# Allegro board buddy_lay_rev1.brd (continued)
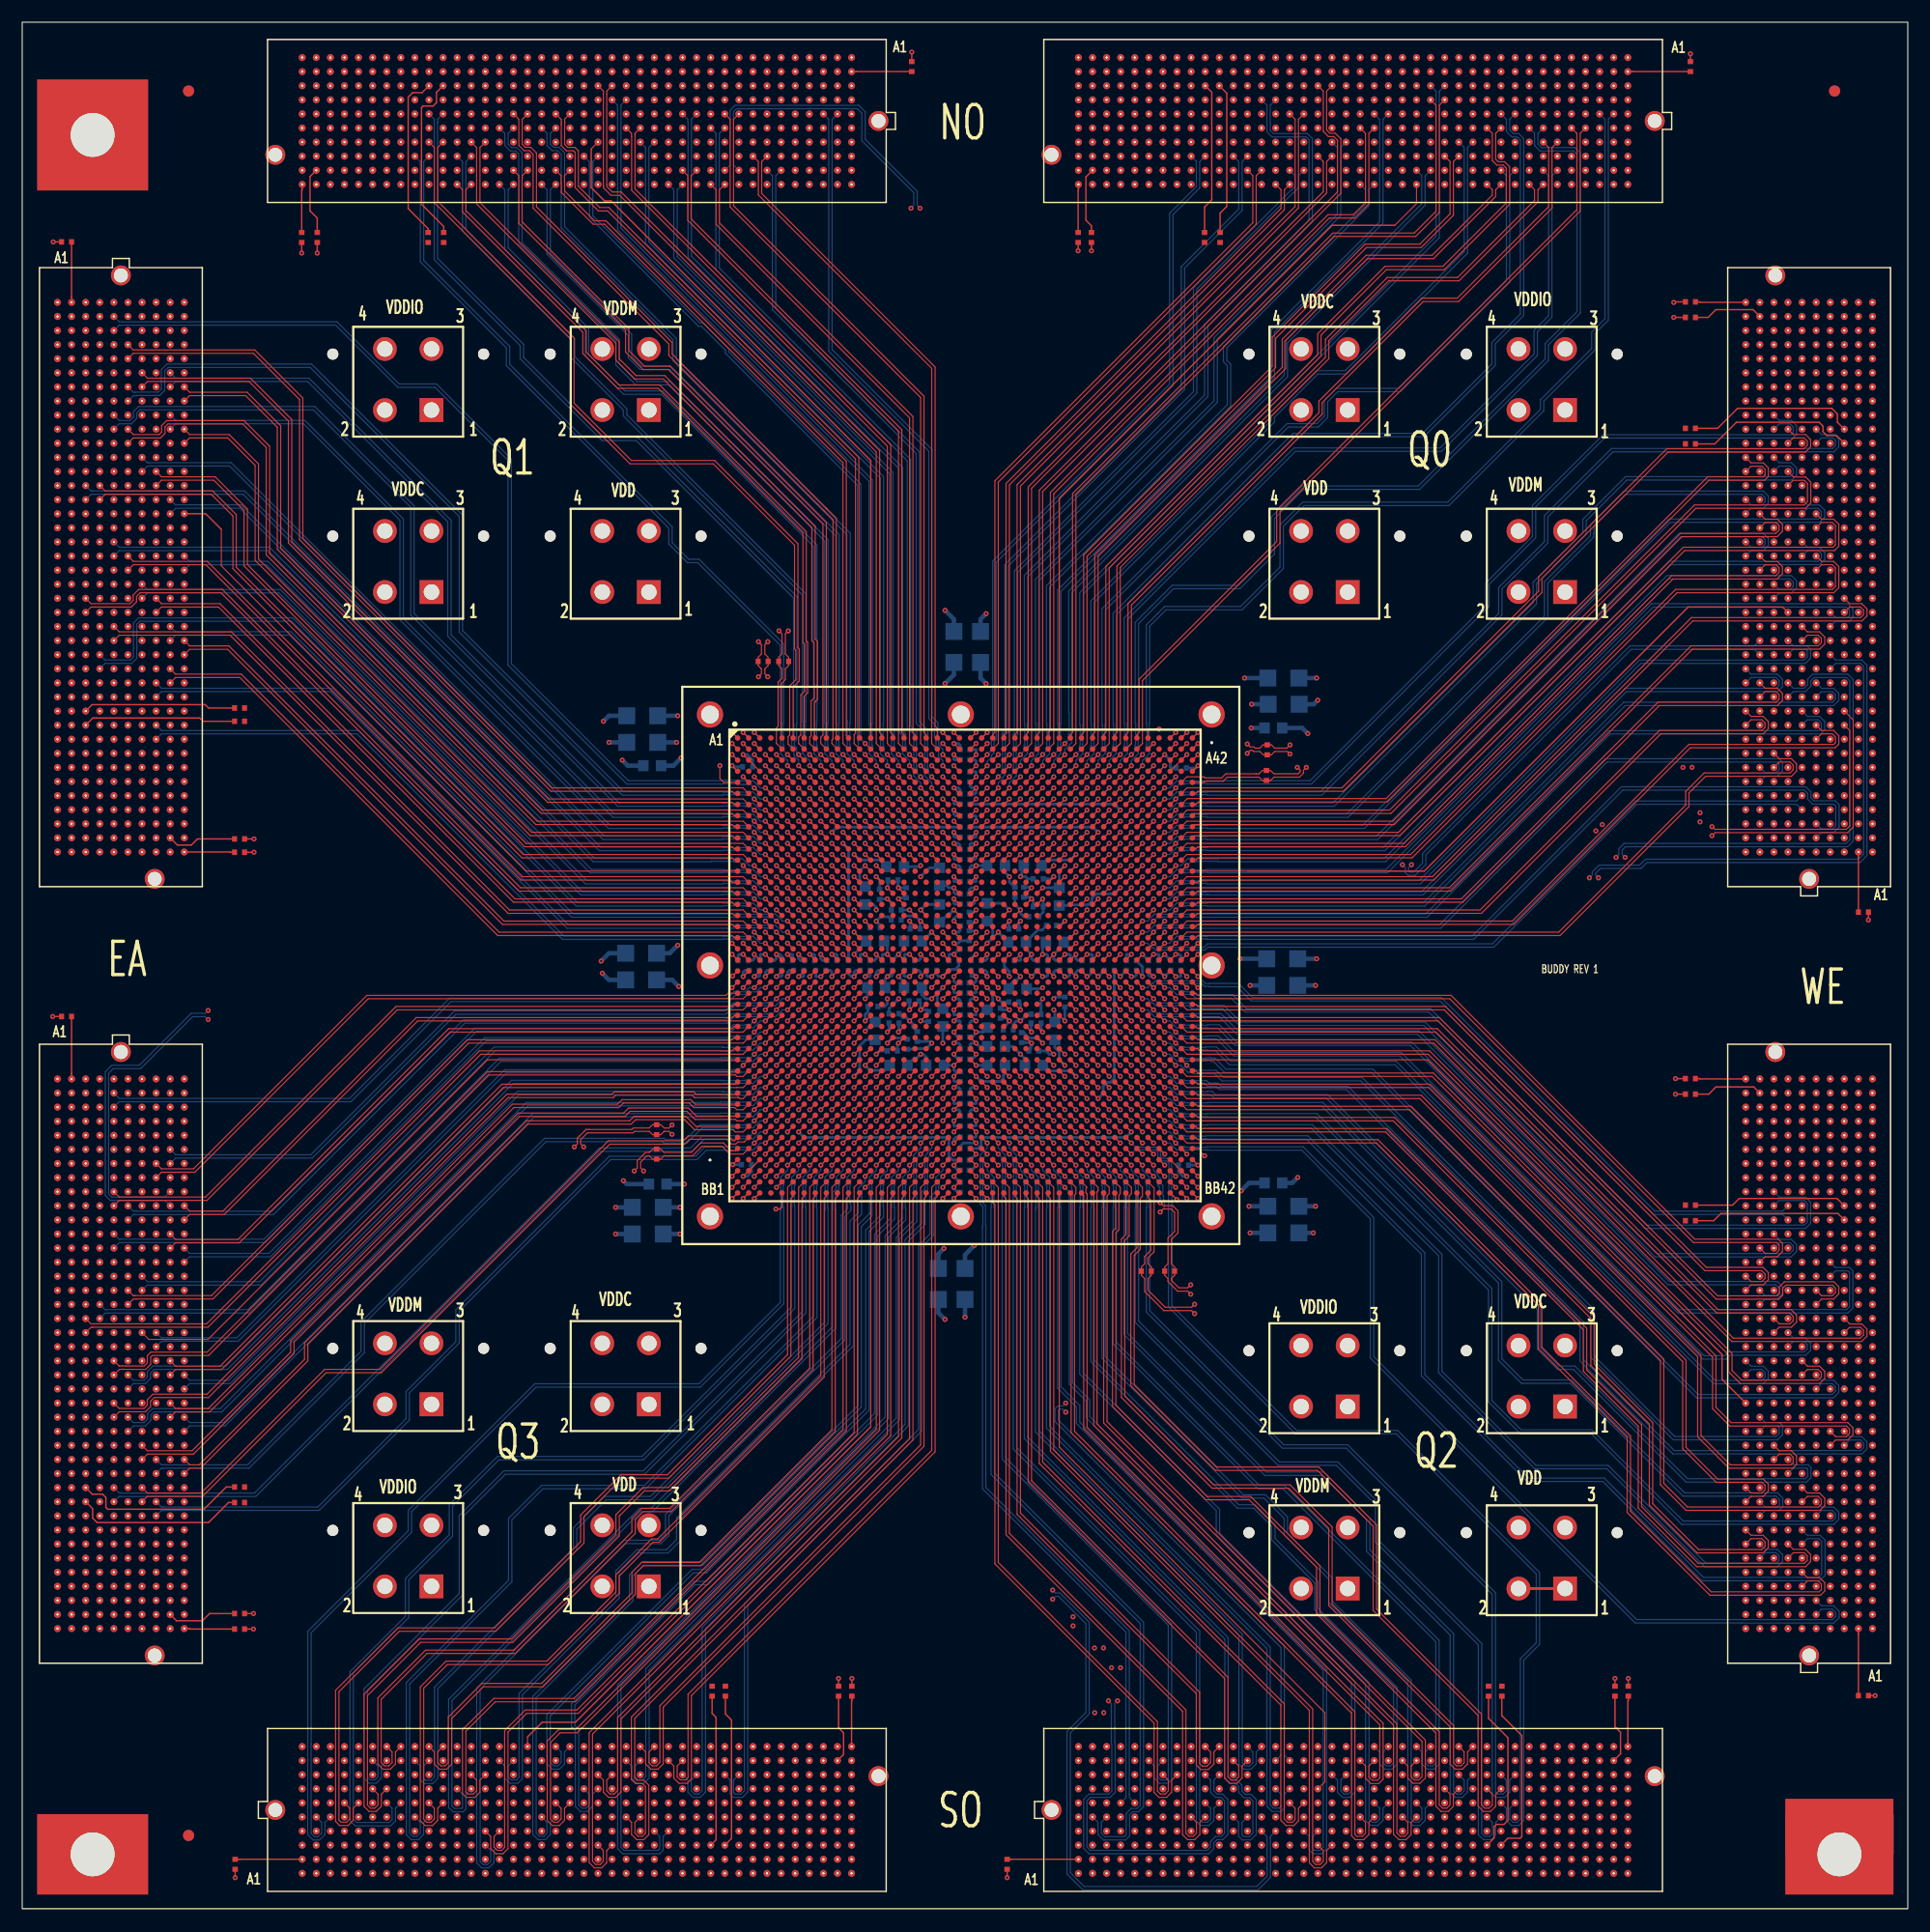
[diagram p0: board, top side]
## Routing (per net, layer and track width the routed paths; a pad name or vN(x,y) marks a point on that pad's centre or on a via; arc(x,y) is an arc through that point) (continued)
Q3_VDDM: length 36.6
  TOP w0.127: U1.AY19 v1(82,66) ; U1.AK9 v1(72,76) ; U1.AB3 v1(66,84) ; U1.AC20 v1(83,83) ; U1.AD3 v1(66,82) ; U1.AM21 v1(84,74) ; U1.AP13 v1(76,72) ; U1.AH7 v1(70,78) ; U1.AD21 v1(84,82) ; U1.AY21 v1(84,66) ; U1.AT21 v1(84,70) ; U1.AV17 v1(80,68) ; U1.AH21 v1(84,78) ; U1.AT15 v1(78,70) ; U1.AF5 v1(68,80) ; U1.AB7 v1(70,84) ; U1.AB15 v1(78,84) ; U1.AB11 v1(74,84) ; U1.AB19 v1(82,84)
  PWR_L7 w0.254: 31.46,50.95 J17.4 ; J17.4 32.7,52.19 ; J17.4 32.7,49.71 ; J17.4 33.94,50.95 ; J17.3 36.9,52.19 ; J17.3 36.9,49.71 ; J17.3 38.14,50.95 ; J17.3 35.66,50.95
  BOTTOM w0.25: v1(83,83) 82.5,82.5 82.5,81.57 82.97,81.1 C86.1 ; C87.1 77.8,83.8 v1(78,84) 78.3,84 78.45,84.15 C79.1 ; C82.1 84.57,77.84 84.41,78 v1(84,78) ; C78.1 84.57,73.84 84.41,74 v1(84,74) ; C80.1 81.55,84.1 81.65,84 v1(82,84) ; C81.1 84.57,81.84 84.41,82 v1(84,82) ; C83.1 v1(84,66) ; v1(66,84) 66.4,84 66.5,84.1 U1.AB3 C84.1 ; v1(70,84) 70,84 70.38,84 70.45,84.07 C85.1
  BOTTOM w0.4: C88.1 58.6,83.7 v1(59.2,83.1)
SO_3P3V: length 16.8
  TOP w0.127: R124.2 v1(88.8,2.8) ; R119.2 v1(19.2,2.8)
  PWR_L8 w0.254: 74.3,7 74.77,7 ; 74.77,7 74.77,7.47 ; 74.77,7 75.25,7 ; 74.77,7 74.77,6.52 ; J6.C39 73.98,5.72 ; J6.C39 73.5,6.2 ; J6.C39 73.03,5.72 ; J6.C39 73.5,5.25 ; 139.68,7 139.68,7.47 ; 139.68,7 139.68,6.52 ; 139.68,7 139.2,7 ; 139.68,7 140.15,7 ; 72.23,7 72.71,7 ; 72.23,7 71.76,7 ; 72.23,7 72.23,7.47 ; 72.23,7 72.23,6.52 ; 144.76,7 145.23,7 ; 144.76,7 144.76,6.52 ; 144.76,7 144.76,7.47 ; 144.76,7 144.28,7 ; 69.22,7 69.69,7 ; 69.69,7 69.69,7.47 ; 69.69,7 69.69,6.52 ; 69.69,7 70.17,7 ; J5.C39 143.49,6.2 ; J5.C39 143.49,5.25 ; J5.C39 143.01,5.72 ; J5.C39 143.96,5.72 ; 142.22,7 142.69,7 ; 142.22,7 141.74,7 ; 142.22,7 142.22,6.52 ; 142.22,7 142.22,7.47
SO_12P0V: length 7.7
  PWR_L7 w0.254: J5.C35 138.88,5.72 ; J5.C35 138.41,5.25 ; J5.C35 137.93,5.72 ; J5.C35 138.41,6.2 ; 140.47,5.72 J5.C37 ; J5.C37 140.95,6.2 ; J5.C37 141.42,5.72 ; J5.C37 140.95,5.25 ; J6.C35 68.42,6.2 ; J6.C35 68.9,5.72 ; J6.C35 67.95,5.72 ; J6.C35 68.42,5.25 ; J6.C37 71.44,5.72 ; J6.C37 70.49,5.72 ; J6.C37 70.96,6.2 ; J6.C37 70.96,5.25
SO_CTRL0: length 98.2
  TOP w0.102: v1(67.95,63.05) 68.33,63.05 68.5,63.22 U1.BB5
  SIGNAL_L5 w0.081: v1(67.95,63.05) 67.95,61.35 68.2,61.1 68.2,59.5
  SIGNAL_L5 w0.083: J6.J30 61.48,12.75 60.6,12.75 60.2,12.35 60.2,5.55 59.75,5.1 42.8,5.1 42.4,5.5 42.4,15.4 49.1,22.1 50.4,22.1 53.61,25.31 53.61,38.03 57,41.43 57,41.49 68.2,52.69 68.2,59.5
SO_CTRL1: length 115.4
  TOP w0.127: U1.BA5 v1(68,65)
  SIGNAL_L5 w0.081: v1(68,65) 67.05,64.05 67.05,59.5
  SIGNAL_L5 w0.083: 63.34,14.62 63.91,14.05 66.2,14.05 66.55,13.7 66.55,4.25 65.94,3.64 65.69,3.64 65.43,3.38 65.43,3.13 64.6,2.3 40.45,2.3 39.85,2.9 39.85,15.85 50.29,26.29 50.29,36.02 56.08,41.82 56.08,41.88 67.05,52.85 67.05,59.5
SO_CTRL2: length 102.1
  TOP w0.127: U1.AY5 v1(68,66)
  SIGNAL_L5 w0.081: 67.51,59.5 67.5,59.51 67.5,63.45 68.5,64.45 68.5,65.5 v1(68,66)
  SIGNAL_L5 w0.083: 67.51,59.5 67.65,59.36 67.65,52.79 56.54,41.69 56.54,41.62 50.75,35.83 50.75,25.8 41.15,16.2 41.15,4.15 41.5,3.8 63.34,3.8 64.16,4.62 64.16,4.65 64.42,4.91 64.45,4.91 65.3,5.76 65.3,7.68 J6.E33
SO_CTRL3: length 114.7
  TOP w0.127: U1.AW5 v1(68,67)
  SIGNAL_L5 w0.081: v1(68,67) 67.37,66.37 66.85,66.37 66.55,66.07 66.55,59.5
  SIGNAL_L5 w0.083: 67.15,9.54 67.85,8.84 67.85,3.05 66.25,1.45 39.85,1.45 38.6,2.7 38.6,15.5 40.64,17.54 40.64,17.54 49.82,26.73 49.82,36.22 50.09,36.49 55.61,42.01 55.61,42.07 66.55,53.01 66.55,59.5
SO_HS_C2M_N0: length 172.2
  TOP w0.102: v1(105.7,53.63) 105.43,53.9 102.92,53.9 101.2,55.62 101.2,56.78 100.9,57.08 R99.1 100.9,57.82 101.2,58.12 101.2,58.78 101.75,59.33 101.75,63.85 101.5,64.1 U1.BB38
  SIGNAL_L10 w0.081: 27.78,5.72 27.31,5.26 27.31,2.8 27.74,2.38 120.51,2.38 121.08,2.95 121.08,18.05 112.87,26.26 112.87,51.31 110.3,53.88 105.95,53.88 v1(105.7,53.63)
SO_HS_C2M_P0: length 174.4
  TOP w0.102: v1(105.7,54.47) 105.43,54.2 103.05,54.2 101.5,55.75 101.5,56.78 101.8,57.08 R99.2 101.8,57.82 101.5,58.12 101.5,58.65 102.05,59.2 102.05,64.95 U1.BA38
  SIGNAL_L10 w0.081: 26.51,5.72 26.98,5.26 26.98,2.67 27.6,2.05 120.65,2.05 121.41,2.81 121.41,18.19 113.2,26.4 113.2,51.45 110.44,54.21 105.95,54.21 v1(105.7,54.47)
SO_HS_M2C_N0: length 162.8
  TOP w0.102: v1(102.6,63.62) 102.87,63.35 103.73,63.35 104.2,62.88 104.2,60.9 103.6,60.3 103.6,58.12 103.9,57.82 R100.1 103.9,57.08 103.6,56.78 103.6,56.64 104.29,55.95 105.08,55.95 v1(105.35,56.22)
  TOP w0.127: U1.AY38 v1(102,66)
  SIGNAL_L10 w0.081: v1(105.35,56.22) 105.1,55.96 104.55,55.96 104.07,55.49 104.07,32.61 119.82,16.86 119.82,4.27 119.53,3.98 32.69,3.98 32.39,4.28 32.39,5.26 32.86,5.72
  BOTTOM w0.102: v1(102.6,63.62) 102.6,64.07 102.53,64.13 102.53,65.03 102.4,65.17 102.4,65.6 102.34,65.66 102.33,65.66 102.32,65.67 102.32,65.68 v1(102,66)
SO_HS_M2C_P0: length 165.5
  TOP w0.102: v1(105.35,55.38) 105.08,55.65 104.16,55.65 103.3,56.51 103.3,56.78 103,57.08 R100.2 103,57.82 103.3,58.12 103.3,60.43 103.9,61.03 103.9,62.75 103.6,63.05 102.87,63.05 v1(102.6,62.78)
  TOP w0.127: U1.AW38 v1(102,67)
  SIGNAL_L10 w0.081: v1(105.35,55.38) 105.1,55.63 104.68,55.63 104.4,55.35 104.4,32.75 120.15,17 120.15,4.13 119.67,3.65 32.55,3.65 32.06,4.14 32.06,5.26 31.59,5.72
  BOTTOM w0.102: v1(102,67) 102,66.54 102.38,66.16 102.38,66.05 102.7,65.73 102.7,65.3 102.84,65.16 102.84,64.26 102.9,64.2 102.9,63.86 102.98,63.78 102.98,63.16 v1(102.6,62.78)
SO_N0: length 76.5
  TOP w0.127: U1.AY37 v1(101,66)
  BOTTOM w0.102: v1(101,66) 101.32,65.68 101.32,65.22 101.38,65.16 101.38,63.2 101.35,63.17 101.35,53.77 113.62,41.5 119.37,41.5 132.52,28.34 132.52,10.36 132.85,10.03 133.65,10.03 134.11,10.5 134.11,11.59 J5.H32
SO_N1: length 77.6
  TOP w0.102: J5.G31 132.84,10.32 132.84,9.23 132.38,8.76 131.74,8.76 131.25,9.24 131.25,17.41 121.8,26.87 121.8,34.47 116.77,39.5 107.57,39.5 99.95,47.12 99.95,59 100.5,59.55 U1.BB37
SO_N2: length 86.6
  TOP w0.127: U1.AV36 v1(100,68)
  BOTTOM w0.102: v1(100,68) 100.35,68.35 100.82,68.35 100.85,68.38 102.16,68.38 102.38,68.16 102.38,67.74 102.74,67.38 103.16,67.38 103.38,67.16 103.38,64.6 103.35,64.57 103.38,64.54 103.38,64.39 103.35,64.36 103.35,54.22 114.77,42.8 123.87,42.8 136.5,30.17 136.5,23.95 135.06,22.52 135.06,8.07 134.79,7.8 134.4,7.8 134.11,8.09 134.11,9.05 134.6,9.54
SO_N3: length 79.8
  TOP w0.127: U1.AY36 v1(100,66)
  BOTTOM w0.102: v1(100,66) 100.32,65.68 100.32,65.22 100.38,65.16 100.38,63.2 100.35,63.17 100.35,52.83 113.23,39.95 118.48,39.95 122,36.44 122,33.05 131.28,23.77 131.28,6.67 131.74,6.22 132.43,6.22 132.84,6.63 132.84,7.78 J5.E31
SO_N4: length 71.7
  TOP w0.102: 130.79,14.62 130.3,14.13 130.3,13.04 129.84,12.57 129.2,12.57 128.74,13.02 128.74,16.38 117.8,27.32 117.8,34.27 114.17,37.9 107.27,37.9 99.1,46.07 99.1,60.35 99.5,60.75 U1.BB36
SO_N5: length 91.3
  TOP w0.127: U1.AV35 v1(99,68)
  SIGNAL_L3 w0.081: v1(99,68) 99.34,67.66 99.34,67.22 99.37,67.19 99.37,60.59 99.34,60.55 99.34,32.15 112.21,19.28 112.21,6.68 112.7,6.18 119.79,6.18 120.17,6.56 120.17,8.45 120.44,8.72 128.58,8.72 129.03,9.18 129.03,12.4 129.02,12.41 129.02,12.68 129.03,12.86 J5.J28
SO_N6: length 75.3
  TOP w0.127: U1.AY35 v1(99,66)
  BOTTOM w0.102: v1(99,66) 99.32,65.68 99.32,65.22 99.38,65.16 99.38,63.2 99.35,63.17 99.35,51.72 102.7,48.37 112.02,39.05 117.22,39.05 121.2,35.07 121.2,32.2 128.74,24.66 128.74,10.48 129.2,10.03 129.84,10.03 130.3,10.5 130.3,11.59 J5.H29
SO_N7: length 73.5
  TOP w0.102: U1.BB35 98.57,64.43 98.57,61.3 98.3,61.03 98.3,45.25 106.7,36.85 110.62,36.85 116.7,30.77 116.7,26.57 127.45,15.82 127.45,9.24 127.93,8.76 128.57,8.76 129.03,9.23 129.03,10.32 J5.G28
SO_N8: length 75.5
  TOP w0.127: U1.AT34 v1(98,70)
  SIGNAL_L12 w0.081: v1(98,70) 98.23,69.77 98.3,69.77 98.35,69.72 98.35,69.35 98.37,69.33 98.37,68.61 98.61,68.37 99.15,68.37 99.23,68.3 99.37,68.15 99.37,64.41 99.33,64.37 99.33,56.85 121.47,34.71 121.47,33.43 131.27,23.63 131.27,10.02 130.79,9.54
SO_N9: length 76.3
  TOP w0.127: U1.AV34 v1(98,68)
  SIGNAL_L12 w0.081: J5.E28 129.18,8.27 129,8.09 129,7.98 129.19,7.78 130,7.78 130,8.48 129.76,8.72 129.21,8.72 129.19,8.74 129.19,8.74 128.72,9.21 128.72,9.21 128.7,9.23 128.7,22.88 116.72,34.86 116.72,35.61 98.33,54 98.33,62.61 98.37,62.65 98.37,67.15 98.37,67.16 98.37,67.2 98.33,67.23 98.33,67.67 v1(98,68)
SO_N10: length 69.9
  TOP w0.127: U1.AY34 v1(98,66)
  BOTTOM w0.102: v1(98,66) 98.32,65.68 98.32,65.22 98.38,65.16 98.38,63.2 98.35,63.17 98.35,50.9 111.4,37.85 113.65,37.85 127.44,24.06 127.44,13.15 127.17,12.88 126.78,12.88 126.49,13.17 126.49,14.13 J5.K26
SO_N11: length 67.4
  TOP w0.102: J5.J25 125.22,12.86 125.22,11.9 125.51,11.61 125.9,11.61 126.2,11.91 126.2,15.07 97.5,43.77 U1.BB34
SO_N12: length 108.9
  TOP w0.127: U1.AT33 v1(97,70)
  SIGNAL_L3 w0.081: v1(97,70) 97.34,69.66 97.34,69.22 97.37,69.19 97.37,62.65 97.34,62.62 97.34,62.2 97.97,61.56 97.97,30.97 109.65,19.29 109.65,5.42 110.14,4.94 120.95,4.94 121.41,5.4 121.41,7.17 121.72,7.48 129.84,7.48 130.3,7.94 130.3,13.88 130.03,14.15 127.71,14.15 127.43,13.88 127.43,10.51 127.25,10.32 126.81,10.32 126.52,10.62 126.52,11.62 J5.H26
SO_N13: length 91.7
  TOP w0.127: U1.AV33 v1(97,68)
  SIGNAL_L12 w0.081: J5.G25 125.24,10.34 125.24,3.01 125.61,2.63 128.34,2.63 128.73,3.02 128.73,5.89 128.41,6.21 127.92,6.21 127.65,6.47 127.46,6.67 127.46,19.03 127.31,19.17 126.06,19.17 117.92,27.31 117.92,29.43 97.33,50.02 97.33,62.66 97.37,62.7 97.37,67.15 97.37,67.16 97.37,67.2 97.33,67.23 97.33,67.67 v1(97,68)
SO_N14: length 75.2
  TOP w0.127: U1.AY33 v1(97,66)
  BOTTOM w0.102: v1(97,66) 97.32,65.68 97.32,65.22 97.38,65.16 97.38,63.2 97.35,63.17 97.35,49.62 98.95,48.02 109.97,37 111.95,37 113.77,35.18 113.77,33.72 117.8,29.69 117.8,27.6 124.93,20.47 124.93,7.95 125.39,7.49 126.03,7.49 126.49,7.96 126.49,9.05 J5.F26
SO_N15: length 72.8
  TOP w0.102: J5.E25 125.22,7.78 125.22,6.69 124.76,6.22 124.12,6.22 123.63,6.7 123.63,16.53 96.6,43.57 96.6,64.4 U1.BB33
SO_N16: length 94.6
  TOP w0.127: U1.AT32 v1(96,70)
  SIGNAL_L3 w0.081: 128.25,7 127.76,6.51 127.76,4.13 127.3,3.67 108.87,3.67 108.38,4.15 108.38,18.87 97.12,30.13 97.12,61.01 96.34,61.8 96.34,62.62 96.37,62.65 96.37,69.19 96.34,69.22 96.34,69.66 v1(96,70)
SO_N17: length 83.5
  TOP w0.127: U1.AV32 v1(96,68)
  SIGNAL_L12 w0.081: v1(96,68) 96.33,67.67 96.33,67.23 96.37,67.2 96.37,67.16 96.37,67.15 96.37,62.59 96.41,62.55 96.41,59.73 96.33,59.66 96.33,45.11 110.47,30.97 114.9,30.97 116.52,29.35 116.52,25.95 126.15,16.32 126.16,16.32 126.16,4.15 126.65,3.67 127.3,3.67 127.78,4.14 127.78,5.26 J5.C27
SO_N18: length 68.7
  TOP w0.127: U1.AY32 v1(96,66)
  BOTTOM w0.102: J5.K23 122.68,14.13 122.68,13.17 122.97,12.88 123.36,12.88 123.63,13.15 123.63,19.83 116.53,26.94 116.53,29.36 112.65,33.24 112.65,34.47 111.02,36.1 109.55,36.1 96.35,49.3 96.35,63.17 96.38,63.2 96.38,65.16 96.32,65.22 96.32,65.68 v1(96,66)
SO_N19: length 66.7
  TOP w0.102: J5.J22 121.41,12.86 121.41,11.89 121.72,11.58 122.18,11.58 122.39,11.79 122.39,16.58 95.7,43.27 95.7,64.3 U1.BB32
SO_N20: length 126.1
  TOP w0.127: U1.AT31 v1(95,70)
  SIGNAL_L3 w0.081: J5.H23 122.71,11.62 122.71,10.36 122.74,10.32 123.44,10.32 123.65,10.53 123.65,15.2 124.3,15.85 130.85,15.85 131.58,15.12 131.58,2.86 131.11,2.4 107.6,2.4 107.14,2.86 107.14,18.26 96.27,29.13 96.27,60.51 95.34,61.45 95.34,62.62 95.37,62.65 95.37,69.19 95.34,69.22 95.34,69.66 v1(95,70)
SO_N21: length 73.6
  TOP w0.127: U1.AV31 v1(95,68)
  SIGNAL_L12 w0.081: v1(95,68) 95.33,67.67 95.33,67.23 95.37,67.2 95.37,67.16 95.37,67.15 95.37,62.7 95.33,62.66 95.33,44.99 119.84,20.49 119.84,9.21 120.3,8.75 120.95,8.75 121.43,9.22 121.43,10.34 J5.G22
SO_N22: length 73.3
  TOP w0.127: U1.AY31 v1(95,66)
  BOTTOM w0.102: J5.F23 122.68,9.05 122.68,7.96 122.22,7.49 121.58,7.49 121.12,7.95 121.12,20.25 107.65,33.72 107.65,35.87 95.35,48.17 95.35,63.17 95.38,63.2 95.38,65.16 95.32,65.22 95.32,65.68 v1(95,66)
SO_N23: length 72.1
  TOP w0.102: J5.E22 121.41,7.78 121.41,6.69 120.95,6.22 120.2,6.22 119.85,6.57 119.85,17.62 94.57,42.9 94.57,64.43 U1.BB31
SO_N24: length 83.3
  TOP w0.127: U1.AM30 v1(94,74)
  SIGNAL_L5 w0.081: v1(94,74) 94.3,73.7 94.3,73.54 94.34,73.51 94.34,73.19 94.37,73.15 94.37,64.56 94.33,64.52 94.33,46.85 102.97,38.21 102.97,35.41 118.57,19.82 118.57,5.4 119.03,4.94 119.68,4.94 120.16,5.41 120.16,6.53 J5.D21
SO_N25: length 97.8
  TOP w0.127: U1.AR30 v1(94,71)
  SIGNAL_L3 w0.081: v1(94,71) 94,70.7 93.63,70.33 93.63,64.56 93.66,64.52 93.66,47.65 94.88,46.44 94.88,43.76 93.23,42.11 93.23,29.64 97.25,25.62 97.25,23.74 v1(97.49,23.5)
  SIGNAL_L5 w0.081: v1(97.49,23.5) 97.25,23.25 97.25,21.5 103.66,15.09 103.66,4.27 103.93,4 120.9,4 121.1,4.2 121.1,7.31 121.57,7.78 122.22,7.78 122.68,7.32 122.68,6.46 122.7,6.45 122.7,6.19 123.17,5.72
SO_N26: length 93.9
  TOP w0.127: U1.AU30 v1(94,69)
  SIGNAL_L3 w0.081: v1(94,69) 94.34,68.66 94.34,68.22 94.37,68.19 94.37,61.61 94.34,61.57 94.34,48.65 95.42,47.56 95.42,42.79 94.37,41.74 94.37,29.56 98.45,25.48 98.45,21.96 v1(98.21,21.71)
  SIGNAL_L10 w0.081: J5.K20 118.89,14.15 118.89,14.03 118.9,14.02 118.9,5.42 118.41,4.94 110.14,4.94 109.68,5.4 109.68,14.78 108.09,16.37 103.06,16.37 98.45,20.98 98.45,21.47 v1(98.21,21.71)
SO_N27: length 68.9
  TOP w0.127: U1.AW30 v1(94,67)
  SIGNAL_L12 w0.081: v1(94,67) 94.33,66.67 94.33,66.31 94.37,66.27 94.37,64.27 94.34,64.24 94.34,45.83 94.45,45.72 94.45,44.48 118.54,20.39 118.54,11.76 118.4,11.62 117.9,11.62 117.62,11.9 117.62,12.88 J5.J19
SO_N28: length 68.6
  TOP w0.102: U1.BA30 v1(94,65)
  BOTTOM w0.102: v1(94,65) 94.4,64.6 94.4,47.27 95.95,45.72 95.95,44.22 119.85,20.32 119.85,10.63 119.55,10.34 119.16,10.34 118.89,10.61 118.89,11.61 J5.H20
SO_N29: length 75.3
  TOP w0.127: U1.AL29 v1(93,75)
  SIGNAL_L10 w0.081: v1(93,75) 93,74.52 93.5,74.02 93.5,59.5
  SIGNAL_L10 w0.083: J5.G19 117.45,11.44 117.45,16.2 93.5,40.15 93.5,59.5
SO_N30: length 86.1
  TOP w0.127: U1.AN29 v1(93,73)
  SIGNAL_L3 w0.081: v1(93,73) 93.35,73.35 93.76,73.35 93.78,73.37 94.15,73.37 94.37,73.15 94.37,72.64 94.64,72.37 98.25,72.37 98.37,72.25 98.37,70.67 98.67,70.37 100.15,70.37 100.37,70.15 100.37,64.85 100.33,64.81 100.33,64.8 100.31,64.59 100.31,34.49 113.49,21.31 113.49,7.84 113.86,7.46 118.4,7.46 118.89,7.95 118.89,9.07 J5.F20
SO_N31: length 75.4
  TOP w0.127: U1.AV29 v1(93,68)
  SIGNAL_L12 w0.081: v1(93,68) 93.33,67.67 93.33,67.23 93.37,67.2 93.37,67.16 93.37,67.15 93.37,62.7 93.33,62.66 93.33,44.12 116,21.45 116,6.69 116.49,6.21 117.14,6.21 117.62,6.68 117.62,7.8 J5.E19
SO_N32: length 74.2
  TOP w0.127: U1.AY29 v1(93,66)
  BOTTOM w0.102: v1(93,66) 93.32,65.68 93.32,65.22 93.38,65.16 93.38,63.2 93.35,63.17 93.35,46.91 95.05,45.21 95.05,43.72 117.3,21.47 117.3,5.54 117.01,5.26 116.49,5.26 116.33,5.42 116.33,6.51 J5.D18
SO_N33: length 73.8
  TOP w0.102: U1.BB29 92.5,64.2 92.7,64 92.7,41.22 116.04,17.88 116.04,4.13 116.5,3.68 117.14,3.68 117.6,4.15 117.6,5.24 118.09,5.72
SO_N34: length 74.4
  TOP w0.127: U1.AM28 v1(92,74)
  SIGNAL_L5 w0.081: v1(92,74) 92.3,73.7 92.3,73.54 92.34,73.51 92.34,73.19 92.37,73.15 92.37,64.56 92.33,64.52 92.33,37.3 113.47,16.16 113.47,13.04 113.95,12.56 114.6,12.56 115.08,13.03 115.08,14.15 J5.K17
SO_N35: length 70.2
  TOP w0.127: U1.AP28 v1(92,72)
  SIGNAL_L3 w0.081: v1(92,72) 92.34,71.66 92.34,71.22 92.37,71.19 92.37,64.65 92.34,64.62 92.34,45.87 93.21,44.99 93.84,44.99 v1(94.08,44.75)
  BOTTOM w0.102: J5.J16 113.79,13.83 113.79,23.66 93.42,44.03 93.42,44.92 93.5,45 93.82,45 v1(94.08,44.75)
SO_N36: length 70.9
  TOP w0.127: U1.AV28 v1(92,68)
  SIGNAL_L12 w0.081: J5.H17 115.08,11.61 115.08,10.49 114.6,10.02 113.95,10.02 113.49,10.48 113.49,22.7 92.33,43.85 92.33,62.66 92.37,62.7 92.37,67.15 92.37,67.16 92.37,67.2 92.33,67.23 92.33,67.67 v1(92,68)
SO_N37: length 69.7
  TOP w0.127: U1.AY28 v1(92,66)
  BOTTOM w0.102: J5.G16 113.79,10.32 113.79,9.07 113.48,8.76 112.69,8.76 112.22,9.23 112.22,23.45 92.35,43.32 92.35,63.17 92.38,63.2 92.38,65.16 92.32,65.22 92.32,65.68 v1(92,66)
SO_N38: length 69.4
  TOP w0.102: U1.BB28 91.5,64.2 91.7,64 91.7,40.12 113.47,18.34 113.47,7.97 113.96,7.49 114.64,7.49 115.06,7.91 115.06,9.05 J5.F17
SO_N39: length 80.6
  TOP w0.127: U1.AM27 v1(91,74)
  SIGNAL_L10 w0.081: J5.E16 113.81,7.8 113.81,6.68 113.33,6.21 112.68,6.21 112.2,6.69 112.2,19.1 91.34,39.96 91.34,64.62 91.37,64.66 91.37,73.41 91.3,73.48 91.3,73.7 v1(91,74)
SO_N40: length 96.9
  TOP w0.127: U1.AP27 v1(91,72)
  SIGNAL_L3 w0.081: v1(91,72) 91.34,71.66 91.34,71.22 91.37,71.19 91.37,64.79 91.3,64.72 91.3,29.34 92.47,28.17 92.63,28.17 v1(92.9,27.89)
  BOTTOM w0.102: J5.D15 112.52,6.51 112.52,6.37 112.54,6.35 112.54,2.81 111.43,1.7 95.62,1.7 94.91,2.41 94.91,2.41 94.2,3.12 94.2,15.98 95.9,17.68 95.9,25.69 93.43,28.15 93.15,28.15 v1(92.9,27.89)
SO_N41: length 80.1
  TOP w0.102: U1.AT27 v1(91,70)
  SIGNAL_L12 w0.081: 113.01,5.72 112.53,5.24 112.53,4.13 112.06,3.67 111.31,3.67 110.92,4.05 110.92,6.19 111.27,6.54 111.93,6.54 112.19,6.81 112.19,22.69 91.33,43.55 91.33,64.66 91.37,64.7 91.37,69.15 91.37,69.16 91.37,69.2 91.33,69.23 91.33,69.67 v1(91,70)
SO_N42: length 65.2
  TOP w0.127: U1.AY27 v1(91,66)
  BOTTOM w0.102: J5.K14 111.25,14.13 111.25,13.04 110.79,12.57 110.15,12.57 109.69,13.02 109.69,24.63 91.35,42.97 91.35,62.93 91.38,62.96 91.38,63.11 91.35,63.14 91.35,63.17 91.38,63.2 91.38,65.16 91.32,65.22 91.32,65.68 v1(91,66)
SO_N43: length 63.9
  TOP w0.102: U1.BB27 90.5,64.2 90.7,64 90.7,38.44 108.4,20.74 108.4,11.78 108.88,11.3 109.52,11.3 109.98,11.77 109.98,12.86 110.47,13.35
SO_N44: length 76.2
  TOP w0.127: U1.AM26 v1(90,74)
  SIGNAL_L5 w0.081: J5.H14 111.25,11.59 111.25,10.52 111.43,10.35 111.93,10.35 112.22,10.64 112.22,15.88 90.33,37.77 90.33,64.52 90.37,64.56 90.37,73.15 90.34,73.19 90.34,73.51 90.3,73.54 90.3,73.7 v1(90,74)
SO_N45: length 78.8
  TOP w0.127: U1.AP26 v1(90,72)
  SIGNAL_L3 w0.081: v1(90,72) 90.34,71.66 90.34,71.22 90.37,71.19 90.37,64.65 90.34,64.62 90.34,29.16 93.76,25.73 94.5,25.73 v1(94.74,25.49)
  SIGNAL_L5 w0.081: 110.47,10.8 110,10.34 110,9.22 109.52,8.75 107.6,8.75 107.14,9.21 107.14,17.41 98.82,25.73 94.98,25.73 v1(94.74,25.49)
SO_N46: length 74.7
  TOP w0.127: U1.AT26 v1(90,70)
  SIGNAL_L12 w0.081: v1(90,70) 90.33,69.67 90.33,69.23 90.37,69.2 90.37,69.16 90.37,69.15 90.37,64.7 90.33,64.66 90.33,43.17 109.68,23.83 109.68,7.87 110.07,7.48 110.79,7.48 111.27,7.95 111.27,9.07 J5.F14
SO_N47: length 72.2
  TOP w0.127: U1.AY26 v1(90,66)
  BOTTOM w0.102: 110.47,8.27 109.97,7.77 109.97,6.66 110.13,6.5 110.63,6.5 110.95,6.82 110.95,9.71 110.66,10 110.15,10 109.66,10.49 109.66,11 109.39,11.27 108.88,11.27 108.42,11.73 108.42,24.3 90.35,42.37 90.35,63.17 90.38,63.2 90.38,65.16 90.32,65.22 90.32,65.68 v1(90,66)
SO_N48: length 62.1
  TOP w0.102: U1.BB26 89.5,64.2 89.7,64 89.7,35.53 105.85,19.37 105.85,12.95 106.26,12.54 106.95,12.54 107.44,13.04 107.44,14.13 J5.K11
SO_N49: length 79
  TOP w0.127: U1.AM25 v1(89,74)
  SIGNAL_L3 w0.081: 106.66,13.35 106.17,13.83 106.17,15.09 105.05,16.21 90.49,16.21 87.66,19.04 87.66,63.23 87.63,63.26 87.63,73.26 87.74,73.37 88.15,73.37 88.28,73.24 88.63,73.24 89,73.61 v1(89,74)
SO_N50: length 94.1
  TOP w0.127: U1.AP25 v1(89,72)
  SIGNAL_L3 w0.081: v1(89,72) 89.33,71.67 89.33,71.21 89.36,71.18 89.36,71.16 89.37,71.15 89.37,70.85 89.36,70.84 89.36,70.16 89.37,70.15 89.37,69.85 89.36,69.84 89.36,69.16 89.37,69.15 89.37,68.85 89.36,68.84 89.36,68.16 89.37,68.15 89.37,67.85 89.36,67.84 89.36,67.16 89.37,67.15 89.37,66.85 89.36,66.84 89.36,66.16 89.37,66.15 89.37,65.85 89.36,65.84 89.36,65.16 89.37,65.15 89.37,64.62 89.32,64.57 89.32,28.11 98.18,19.25 98.18,18.97 v1(97.94,18.73)
  BOTTOM w0.102: v1(97.94,18.73) 98.19,18.47 98.19,14.85 98.23,14.81 98.23,10.61 97.96,10.34 96.18,10.34 95.69,9.86 95.69,5.43 96.18,4.95 106.98,4.95 107.43,5.4 107.43,5.93 107.73,6.22 108.25,6.22 108.7,6.68 108.7,9.85 108.22,10.34 107.73,10.34 107.44,10.63 107.44,11.32 107.44,11.32 107.44,11.59 J5.H11
SO_N51: length 71.8
  TOP w0.127: U1.AT25 v1(89,70)
  SIGNAL_L12 w0.081: v1(89,70) 89.33,69.67 89.33,69.23 89.37,69.2 89.37,69.16 89.37,69.15 89.37,64.7 89.33,64.66 89.33,41.32 104.6,26.06 104.6,9.21 105.06,8.75 105.74,8.75 106.19,9.19 106.19,10.34 106.66,10.8
SO_N52: length 71.6
  TOP w0.127: U1.AV25 v1(89,68)
  BOTTOM w0.102: v1(89,68) 89.32,67.68 89.32,67.22 89.38,67.16 89.38,64.51 89.35,64.48 89.35,41.42 105.86,24.91 105.86,7.87 106.24,7.49 106.98,7.49 107.44,7.96 107.44,9.05 J5.F11
SO_N53: length 68.2
  TOP w0.102: U1.BB25 88.5,64.2 88.7,64 88.7,33.7 104.61,17.79 104.61,6.67 105.07,6.22 105.71,6.22 106.17,6.69 106.17,7.78 106.66,8.27
SO_N54: length 87
  TOP w0.127: U1.AM24 v1(88,74)
  SIGNAL_L3 w0.081: v1(88,74) 87.67,74.33 87.46,74.33 87.42,74.37 86.85,74.37 86.63,74.15 86.63,63.73 86.96,63.41 86.96,62.97 86.99,62.93 86.99,59.73 86.05,58.78 86.05,13.44 89.14,10.35 104.42,10.35 104.92,9.85 104.92,7.46 J5.D9
SO_N55: length 85.3
  TOP w0.127: U1.AP24 v1(88,72)
  SIGNAL_L3 w0.081: v1(96.69,17.66) 96.69,17.72 96.93,17.96 96.93,18.6 88.32,27.21 88.32,64.57 88.37,64.62 88.37,65.15 88.36,65.16 88.36,65.84 88.37,65.85 88.37,66.15 88.36,66.16 88.36,66.84 88.37,66.85 88.37,67.15 88.36,67.16 88.36,67.84 88.37,67.85 88.37,68.15 88.36,68.16 88.36,68.84 88.37,68.85 88.37,69.15 88.36,69.16 88.36,69.84 88.37,69.85 88.37,70.15 88.36,70.16 88.36,70.84 88.37,70.85 88.37,71.15 88.36,71.16 88.36,71.18 88.33,71.21 88.33,71.67 v1(88,72)
  SIGNAL_L12 w0.081: v1(96.69,17.66) 96.94,17.42 96.94,14.82 96.95,14.8 96.95,4.13 97.44,3.64 106.96,3.64 107.46,4.14 107.46,5.26 107.93,5.72
SO_N56: length 67.3
  TOP w0.127: U1.AT24 v1(88,70)
  SIGNAL_L12 w0.081: v1(88,70) 88.33,69.67 88.33,69.23 88.37,69.2 88.37,69.16 88.37,69.15 88.37,64.7 88.33,64.66 88.33,40.39 102.06,26.67 102.06,13.01 102.51,12.56 103.17,12.56 103.63,13.02 103.63,14.13 J5.K8
SO_N57: length 66.1
  TOP w0.127: U1.AV24 v1(88,68)
  BOTTOM w0.102: 102.85,13.35 102.36,12.86 102.36,11.9 102.65,11.61 103.19,11.61 103.33,11.75 103.33,25.54 88.35,40.52 88.35,64.48 88.38,64.51 88.38,67.16 88.32,67.22 88.32,67.68 v1(88,68)
SO_N58: length 63.8
  TOP w0.102: U1.BB24 87.5,63.65 87.7,63.45 87.7,31.07 102.04,16.72 102.04,10.47 102.49,10.03 103.17,10.03 103.63,10.5 103.63,11.59 J5.H8
SO_N59: length 86.9
  TOP w0.127: U1.AM23 v1(87,74)
  SIGNAL_L12 w0.081: v1(87,74) 87.36,73.64 87.36,73.34 87.37,73.32 87.37,71.85 87.15,71.63 86.7,71.63 86.37,71.3 86.37,63.37 86.64,63.09 86.64,61.11 86.24,60.71 86.24,60.11 86.21,60.07 86.21,37.48 99.49,24.19 99.49,5.42 99.98,4.94 103.17,4.94 103.63,5.4 103.63,8.59 103.17,9.05 102.68,9.05 102.38,9.36 102.38,10.34 102.85,10.8
SO_N60: length 78.6
  TOP w0.127: U1.AP23 v1(87,72)
  SIGNAL_L10 w0.081: J5.F8 103.65,9.07 103.65,7.92 103.21,7.48 102.52,7.48 102.05,7.94 102.05,14.79 100.74,16.1 96.35,16.1 88.33,24.12 88.33,64.5 88.37,64.53 88.37,72.15 88.15,72.37 87.73,72.37 87.69,72.33 87.33,72.33 v1(87,72)
SO_N61: length 73.6
  TOP w0.127: U1.AT23 v1(87,70)
  SIGNAL_L12 w0.081: 102.85,8.27 102.38,7.8 102.38,6.68 101.9,6.21 101.25,6.21 100.79,6.67 100.79,24.94 87.48,38.25 87.48,62.43 87.56,62.51 87.56,63.67 87.59,63.71 87.59,64.34 87.37,64.57 87.37,69.15 87.37,69.16 87.37,69.2 87.33,69.23 87.33,69.67 v1(87,70)
SO_N62: length 65
  TOP w0.127: U1.AV23 v1(87,68)
  BOTTOM w0.102: v1(87,68) 86.67,67.67 86.67,67.46 86.62,67.4 86.62,63.58 86.85,63.35 86.85,61.58 86.88,61.55 86.88,61.2 86.88,61.2 86.88,37.97 99.81,25.04 99.81,10.3 99.82,10.29 99.82,10.02 J5.F5
SO_N63: length 70.7
  TOP w0.127: U1.AY23 v1(87,66)
  BOTTOM w0.102: v1(87,66) 87.32,65.68 87.32,65.22 87.38,65.16 87.38,63.2 87.35,63.17 87.35,39.14 100.8,25.69 100.8,9.33 100.51,9.04 99.99,9.04 99.53,8.59 99.53,6.67 99.36,6.5 97.6,6.5 97.29,6.8 97.29,7.79 97.77,8.27
SO_N64: length 67.5
  TOP w0.127: U1.AW20 v1(83,67)
  BOTTOM w0.102: J6.H32 64.13,11.59 64.13,10.47 64.27,10.34 64.81,10.34 65.11,10.64 65.11,27.49 80.8,43.18 80.8,59.75 81.85,60.8 81.85,64.13 82.38,64.66 82.38,65.44 82.37,65.46 82.37,65.91 83,66.54 v1(83,67)
SO_N65: length 71.6
  TOP w0.127: U1.AU20 v1(83,69)
  SIGNAL_L10 w0.081: J6.G31 62.87,10.34 62.87,9.36 63.15,9.08 63.53,9.08 63.83,9.37 63.83,18.18 81.34,35.69 81.34,64.57 81.37,64.61 81.37,68.26 81.74,68.63 82.22,68.63 82.26,68.67 82.67,68.67 v1(83,69)
SO_N66: length 87.1
  TOP w0.127: U1.AR20 v1(83,71)
  SIGNAL_L12 w0.081: v1(83,71) 83,70.55 82.63,70.18 82.63,70.1 82.34,69.81 82.34,69.23 82.37,69.2 82.37,64.72 82.3,64.64 82.3,64.25 81.54,63.49 81.54,38.34 72.62,29.42 64.87,29.42 58.6,23.15 58.6,15.06 58.75,14.91 58.75,11.75 59.23,11.26 64.8,11.26 65.09,10.98 65.09,8.09 64.8,7.81 64.42,7.81 64.14,8.09 64.14,9.07 64.61,9.54
SO_N67: length 80.9
  TOP w0.127: U1.AN20 v1(83,73)
  SIGNAL_L10 w0.081: J6.E31 62.87,7.8 62.87,6.68 62.4,6.21 61.75,6.21 61.29,6.67 61.29,17.75 80.34,36.8 80.34,64.47 80.37,64.51 80.37,72.26 80.74,72.63 82.27,72.63 82.31,72.67 82.67,72.67 v1(83,73)
SO_N68: length 81.2
  TOP w0.127: U1.AL20 v1(83,75)
  SIGNAL_L12 w0.081: v1(83,75) 83,74.52 82.63,74.15 82.63,74.1 82.31,73.78 82.31,73.34 82.37,73.27 82.37,71.74 82.74,71.37 83.2,71.37 83.37,71.2 83.37,63.86 83.34,63.82 83.34,63.69 82.33,62.69 82.33,36.05 74.29,28 64.63,28 61.26,24.63 61.26,13.16 60.99,12.89 60.61,12.89 60.33,13.17 60.33,14.15 60.8,14.62